# Altium PCB STM32F407.PcbDoc (part 2 of 2)
Units mil, origin at the board's own origin, x right, y up, seen from the top; angles counter-clockwise.
Board outline 2250.81 x 1738.31 mil, 4 copper layers (Top Layer, GND, POWER, Bottom Layer), stack 24.98 mil thick; 49 components, 104 nets, 323 pads, 74 vias.
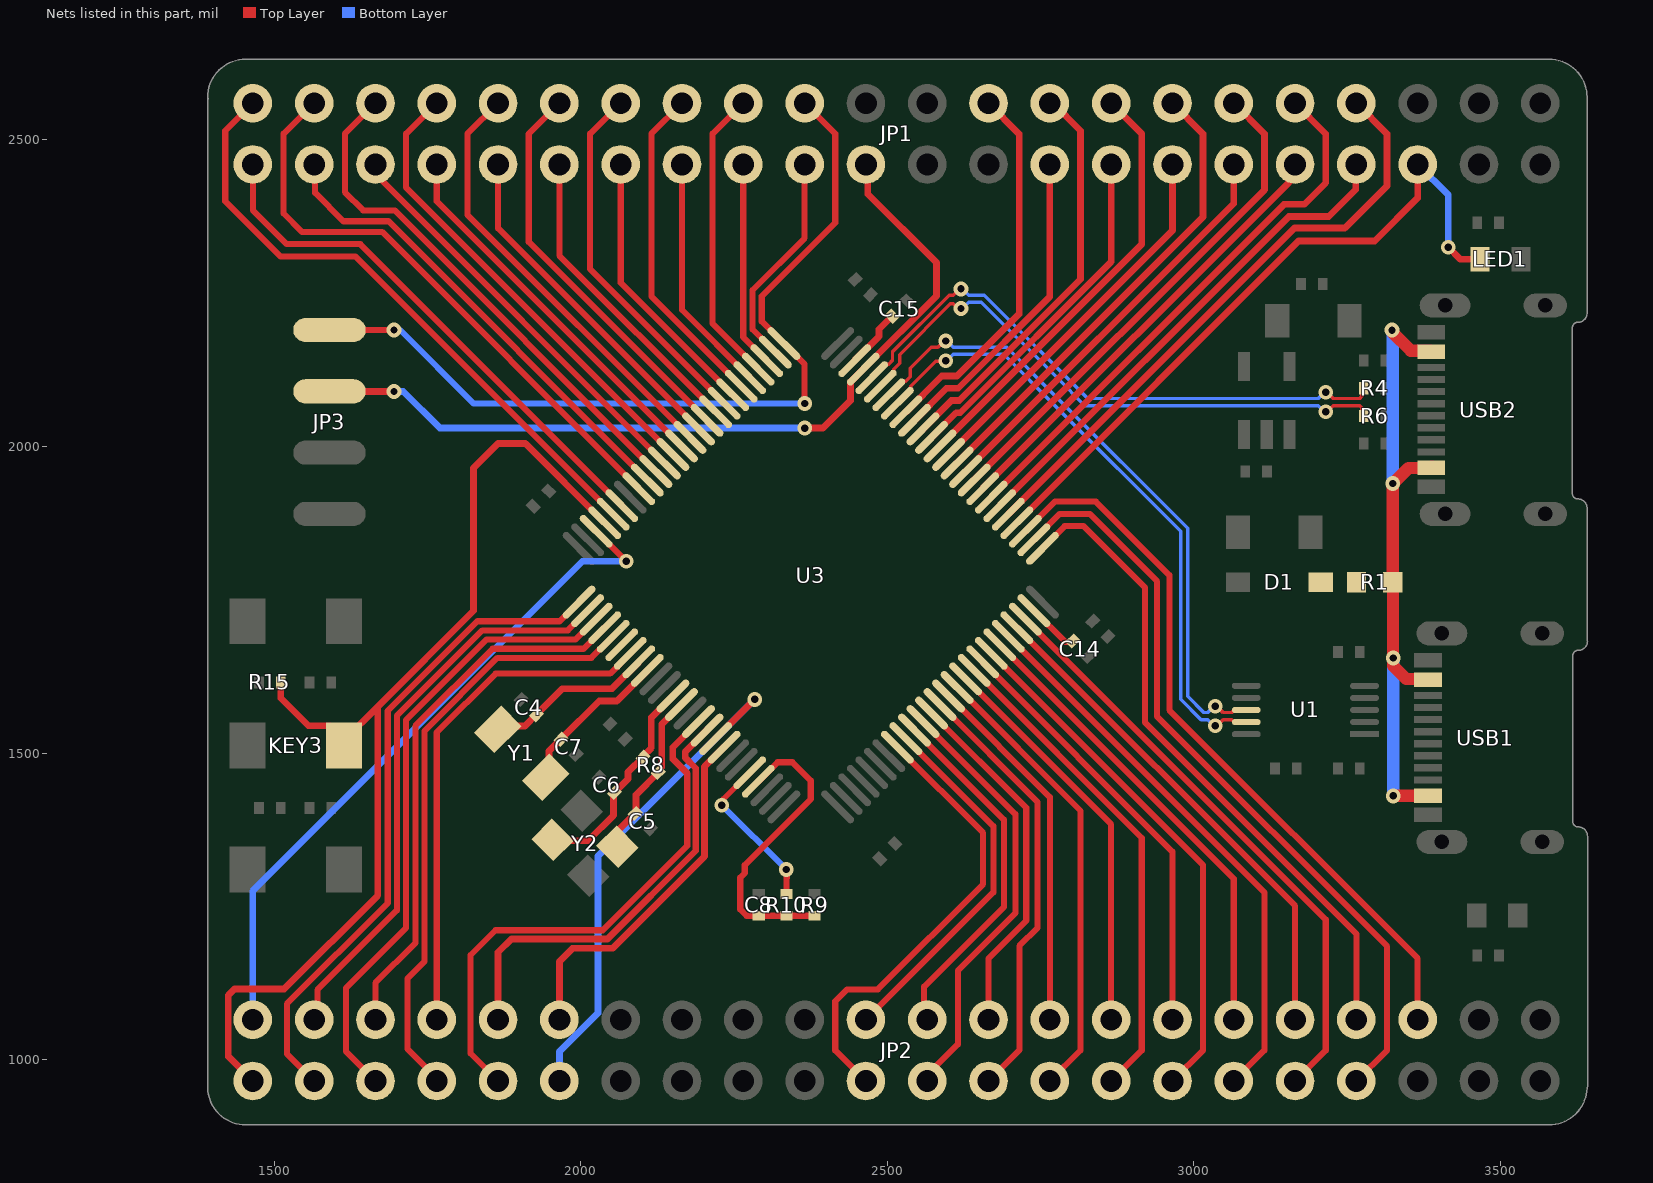
[diagram p4: the nets of this part, all layers, seen from the top]

## Via types
v1: diameter 24, hole 12, Top Layer to Bottom Layer, tented top, 74 vias

## Nets (pads, with @x,y where several pads share a name; then routed paths per layer and width w, separated by ;. In a path a pad name is that pad's centre, name@x,y a point inside that pad or via, vN(x,y) a via of type N, cw(c..) or ccw(c..) an arc to the next point about the centre after c; other vN are vias at no path point) (continued)
PA8: JP1.20 U3.67 | length 615.4
  Top Layer w11: U3.67@2530.22,2056.56 2588.65,2115 2613.73,2115 2715,2216.27 2715,2510 JP1.20@2665,2560
PA9: U1.9 U3.68 | length 1022.8
  Top Layer w5.59: U3.68@2516.3,2070.48 2538.37,2092.55 2538.37,2098.28 2549,2108.91 2549,2109 2578.68,2138.68 2593.68,2138.68 v1(2595,2140) ; v1(3035,1544.32) 3037.27,1544.32 3047.48,1554.52 3061.48,1554.52 3065.53,1550.47 U1.9@3085.38,1550.47
  Bottom Layer w5.59: v1(2595,2140) 2597.27,2140 2607.48,2150.2 2689.79,2150.2 2775,2065 2978.41,1861.59 2978.41,1587.69 3011.58,1554.52 3022.52,1554.52 3032.73,1544.32 v1(3035,1544.32)
PA10: U1.8 U3.69 | length 1049
  Top Layer w5.59: U3.69@2502.38,2084.4 2524.45,2106.47 2530.17,2106.47 2537.41,2113.71 2537.41,2127.63 2571.58,2161.8 2582.52,2161.8 2592.73,2172 v1(2595,2172) ; v1(3035,1576.32) 3037.27,1576.32 3047.48,1566.11 3061.48,1566.11 3065.53,1570.16 U1.8@3085.38,1570.16
  Bottom Layer w5.59: v1(2595,2172) 2597.27,2172 2607.48,2161.8 2694.6,2161.8 2775,2081.39 2990,1866.39 2990,1592.49 3016.38,1566.11 3022.52,1566.11 3032.73,1576.32 v1(3035,1576.32)
PA11: R6.2 U3.70 | length 954.5
  Top Layer w5.59: U3.70@2488.46,2098.32 2510.53,2120.39 2510.53,2126.12 2519.98,2135.56 2519.98,2149.77 2602.89,2232.68 2607.52,2232.68 2615.2,2225 v1(2620,2225) ; v1(3215,2056.5) 3217.27,2056.5 3227.48,2066.71 3270.53,2066.71 3273.8,2063.43 3273.8,2053.33 R6.2@3277.13,2050
  Bottom Layer w5.59: v1(2620,2225) 2622.27,2225 2632.48,2235.2 2653.4,2235.2 2768.61,2120 2776.8,2111.8 2821.9,2066.71 3202.52,2066.71 3212.73,2056.5 v1(3215,2056.5)
PA12: R4.2 U3.71 | length 966
  Top Layer w5.59: U3.71@2474.54,2112.24 2496.61,2134.31 2502.33,2134.31 2508.39,2140.36 2508.39,2154.17 2601.01,2246.8 2607.52,2246.8 2617.73,2257 v1(2620,2257) ; v1(3215,2088.5) 3217.27,2088.5 3227.48,2078.3 3270.53,2078.3 3273.8,2081.57 3273.8,2091.68 R4.2@3277.13,2095
  Bottom Layer w5.59: v1(2620,2257) 2622.27,2257 2632.48,2246.8 2658.2,2246.8 2826.7,2078.3 3202.52,2078.3 3212.73,2088.5 v1(3215,2088.5)
PA13: JP1.23 JP3.3 U3.72 | length 1384.1
  Top Layer w11: JP3.3@1590,2090 1590.3,2089.7 v1(1695.3,2089.7) ; v1(2365,2030) 2395,2030 2439.74,2074.74 2439.74,2105.28 U3.72@2460.62,2126.16 2580,2245.54 2580,2300 2468,2412 2468,2457 JP1.23@2465,2460
  Bottom Layer w11: v1(1695.3,2089.7) 1710.3,2089.7 1770,2030 v1(2365,2030)
PA14: JP1.26 JP3.4 U3.76 | length 1414.1
  Top Layer w10: JP3.4@1590,2190 v1@1695,2190 ; v1(2365,2070) 2365,2134.07 U3.76@2331.15,2167.92 2295,2204.07 2295,2245 2415,2365 2415,2510 JP1.26@2365,2560
  Bottom Layer w10: v1@1695,2190 1705,2190 1825,2070 v1(2365,2070)
  other v1: 1695.3,2190
PA15: JP1.25 U3.77 | length 356.6
  Top Layer w10: U3.77@2317.23,2154 2280,2191.23 2280,2255 2365,2340 JP1.25@2365,2460
PB0: JP2.22 U3.35 | length 588.7
  Top Layer w10: U3.35@2544.14,1537.35 2690,1391.48 2690,1248.73 2560,1118.73 2560,1070 JP2.22@2565,1065
PB1: JP2.21 U3.36 | length 708.4
  Top Layer w10: U3.36@2558.06,1551.27 2708.9,1400.42 2708.9,1238.9 2615,1145 2615,1025 2565,975 JP2.21@2565,965
PB2: JP2.20 U3.37 | length 589.7
  Top Layer w10: U3.37@2571.98,1565.19 2726.56,1410.6 2726.56,1226.56 2665,1165 JP2.20@2665,1065
PB3: JP1.38 U3.89 | length 774
  Top Layer w10: JP1.38@1765,2560 1715,2510 1715,2422.16 U3.89@2150.19,1986.97
PB4: JP1.39 U3.90 | length 682.2
  Top Layer w10: JP1.39@1665,2460 1675.14,2449.86 1675.14,2434.18 U3.90@2136.28,1973.05
PB5: JP1.40 U3.91 | length 861.9
  Top Layer w10: JP1.40@1665,2560 1615,2510 1615,2415 1645,2385 1696.48,2385 U3.91@2122.36,1959.13
PB6: JP1.41 U3.92 | length 783
  Top Layer w10: JP1.41@1565,2460 1566.5,2458.5 1566.5,2413.5 1612.68,2367.32 1686.32,2367.32 U3.92@2108.44,1945.21
PB7: JP1.42 U3.93 | length 966.1
  Top Layer w10: JP1.42@1565,2560 1515,2510 1515,2380 1545,2350 1675.81,2350 U3.93@2094.52,1931.29
PB8: JP1.43 U3.95 | length 876.1
  Top Layer w10: JP1.43@1465,2460 1465,2385 1520,2330 1640.13,2330 U3.95@2066.68,1903.45
PB9: JP1.44 U3.96 | length 1022.8
  Top Layer w10: JP1.44@1465,2560 1420.03,2515.03 1420.03,2399.97 1510,2310 1632.29,2310 U3.96@2052.76,1889.53
PB10: JP2.10 U3.47 | length 827.4
  Top Layer w10: U3.47@2711.17,1704.38 3165,1250.55 JP2.10@3165,1065
PB11: JP2.9 U3.48 | length 976.9
  Top Layer w10: U3.48@2725.09,1718.3 3215,1228.39 3215,1015 JP2.9@3165,965
PB12: JP2.8 U3.51 | length 1071.4
  Top Layer w10: U3.51@2752.93,1833.85 2789.08,1870 2820,1870 2920,1770 2920,1550 3265,1205 JP2.8@3265,1065
PB13: JP2.7 U3.52 | length 1255.1
  Top Layer w10: U3.52@2739.01,1847.77 2781.24,1890 2830,1890 2940,1780 2940,1559.48 3315,1184.48 3315,1015 JP2.7@3265,965
PB14: JP2.6 U3.53 | length 1197.4
  Top Layer w10: U3.53@2725.09,1861.69 2773.4,1910 2840,1910 2960,1790 2960,1570 3365,1165 JP2.6@3365,1065
PB15: JP1.5 LED1.2 U3.54 | length 1143.5
  Top Layer w11: U3.54@2711.17,1875.61 3170.56,2335 3295,2335 3365,2405 JP1.5@3365,2460 ; v1(3415,2325) 3434.69,2305.31 LED1.2@3466.54,2305.31
  Bottom Layer w11: JP1.5@3365,2460 3415,2410 v1(3415,2325)
PC0: JP2.35 U3.15 | length 881.1
  Top Layer w10: JP2.35@1865,965 1820,1010 1820,1170 1860.78,1210.78 2035.78,1210.78 2173.63,1348.63 2173.63,1466.36
  Top Layer w11: 2173.63,1466.36 2150,1489.99 2150,1509.31 U3.15@2191.95,1551.27
PC1: JP2.36 U3.16 | length 719.8
  Top Layer w11: JP2.36@1865,1065 1865,1175 1886.72,1196.72 2043.65,1196.72 2187.47,1340.54 2187.47,1475.12 2170.11,1492.47 2170.11,1501.58 U3.16@2205.87,1537.35
PC2: JP2.33 U3.17 | length 844.6
  Top Layer w11: U3.17@2219.79,1523.43 2219.79,1523.6 2283.43,1587.23 v1(2283.43,1587.41)
  Bottom Layer w11: JP2.33@1965,965 1965.32,965.32 1965.32,1013 2028,1075.68 2028,1331.98 v1(2283.43,1587.41)
PC3: JP2.34 U3.18 | length 594.2
  Top Layer w11: JP2.34@1965,1065 1965,1160 1986.42,1181.42 2051.91,1181.42 2201.87,1331.38 2201.87,1477.66 U3.18@2233.71,1509.51
PC4: JP2.23 U3.33 | length 752.3
  Top Layer w10: JP2.23@2465,965 2415,1015 2415,1095 2434.38,1114.38 2484.38,1114.38 2656.14,1286.14 2656.14,1369.66 U3.33@2516.3,1509.51
PC5: JP2.24 U3.34 | length 603.6
  Top Layer w10: JP2.24@2465,1065 2672.83,1272.83 2672.83,1380.82 U3.34@2530.22,1523.43
PC6: JP1.16 U3.63 | length 716.1
  Top Layer w11: U3.63@2585.89,2000.89 2915,2329.99 2915,2510 JP1.16@2865,2560
PC7: JP1.15 U3.64 | length 570.5
  Top Layer w11: U3.64@2571.98,2014.81 2612.17,2055 2618.84,2055 2865,2301.16 JP1.15@2865,2460
PC8: JP1.18 U3.65 | length 668.9
  Top Layer w11: U3.65@2558.06,2028.72 2604.33,2075 2617.2,2075 2815,2272.8 2815,2515 2770,2560 JP1.18@2765,2560
PC9: JP1.17 U3.66 | length 520
  Top Layer w11: U3.66@2544.14,2042.64 2596.49,2095 2615.57,2095 2765,2244.43 JP1.17@2765,2460
PC10: JP1.27 U3.78 | length 335.8
  Top Layer w10: JP1.27@2265,2460 2265,2178.39 U3.78@2303.31,2140.08
PC11: JP1.28 U3.79 | length 485.4
  Top Layer w10: JP1.28@2265,2560 2215,2510 2215,2200.55 U3.79@2289.39,2126.16
PC12: JP1.29 U3.80 | length 393.5
  Top Layer w10: JP1.29@2165,2460 2165,2222.71 U3.80@2275.47,2112.24
PC13: JP2.38 U3.7 | length 837.7
  Top Layer w10: JP2.38@1765,1065 1765,1533.69 1860.95,1629.63 2047.61,1629.63 U3.7@2080.6,1662.62
PC14: C4.2 U3.8 Y1.1 | length 275.6
  Top Layer w11: Y1.1@1864.61,1538.42 1870.17,1543.99 1908.75,1543.99 1927.24,1562.47 C4.2@1927.52,1562.47 1927.67,1562.47 1970.19,1605 2050.81,1605 U3.8@2094.52,1648.7
PC15: C7.2 U3.9 Y1.2 | length 259.8
  Top Layer w11: Y1.2@1942.56,1460.47 1948.12,1466.04 1948.12,1503.17 C7.2@1967.48,1522.53 2029.95,1585 2058.65,1585 U3.9@2108.44,1634.78
PD0: JP1.30 U3.81 | length 543.1
  Top Layer w10: JP1.30@2165,2560 2115,2510 2115,2244.87 U3.81@2261.55,2098.32
PD1: JP1.31 U3.82 | length 451.2
  Top Layer w10: JP1.31@2065,2460 2065,2267.03 U3.82@2247.63,2084.4
PD2: JP1.32 U3.83 | length 600.8
  Top Layer w10: JP1.32@2065,2560 2015,2510 2015,2289.19 U3.83@2233.71,2070.48
PD3: JP1.33 U3.84 | length 509
  Top Layer w10: JP1.33@1965,2460 1965,2311.36 U3.84@2219.79,2056.56
PD4: JP1.34 U3.85 | length 658.6
  Top Layer w10: JP1.34@1965,2560 1914.91,2509.91 1914.91,2333.6 U3.85@2205.87,2042.64
PD5: JP1.35 U3.86 | length 566.7
  Top Layer w10: JP1.35@1865,2460 1865,2355.68 U3.86@2191.95,2028.72
PD6: JP1.36 U3.87 | length 716.3
  Top Layer w10: JP1.36@1865,2560 1815,2510 1815,2377.84 U3.87@2178.03,2014.81
PD7: JP1.37 U3.88 | length 624.4
  Top Layer w10: JP1.37@1765,2460 1765,2400 U3.88@2164.11,2000.89
PD8: JP1.8 U3.55 | length 995.3
  Top Layer w11: U3.55@2697.25,1889.53 3163.9,2356.18 3246.18,2356.18 3315,2425 3315,2510 JP1.8@3265,2560
PD9: JP1.7 U3.56 | length 835.6
  Top Layer w11: U3.56@2683.33,1903.45 3154.88,2375 3220,2375 3263.93,2418.93 3263.93,2458.93 JP1.7@3265,2460
PD10: JP1.10 U3.57 | length 908.6
  Top Layer w11: U3.57@2669.41,1917.37 3147.04,2395 3180,2395 3215,2430 3215,2510 JP1.10@3165,2560
PD11: JP1.9 U3.58 | length 739.8
  Top Layer w11: U3.58@2655.49,1931.29 3155.05,2430.85 3155.05,2450.05 JP1.9@3165,2460
PD12: JP1.12 U3.59 | length 831.6
  Top Layer w11: U3.59@2641.57,1945.21 3115,2418.64 3115,2510 JP1.12@3065,2560
PD13: JP1.11 U3.60 | length 682
  Top Layer w11: U3.60@2627.65,1959.13 3065,2396.47 JP1.11@3065,2460
PD14: JP1.14 U3.61 | length 773.9
  Top Layer w11: U3.61@2613.73,1973.05 3015,2374.31 3015,2510 JP1.14@2965,2560
PD15: JP1.13 U3.62 | length 624.3
  Top Layer w11: U3.62@2599.81,1986.97 2965,2352.15 JP1.13@2965,2460
PE0: JP2.43 KEY3.1 R15.2 U3.97 | length 1757.2
  Top Layer w11: JP2.43@1465,965 1425,1005 1425,1105 1435,1115 1516.05,1115 1668.84,1267.79 1668.84,1575.87 ; R15.2@1510.43,1615 1510.43,1589.57 1555.6,1544.4 1590.11,1544.4 KEY3.1@1613.74,1520.77 ; KEY3.1@1613.74,1512.5 KEY3.1@1613.74,1520.77 ; U3.97@2038.84,1875.61 1909.45,2005 1865,2005 1825,1965 1825,1732.03 1668.84,1575.87 ; KEY3.1@1613.74,1520.77 1668.84,1575.87
PE1: JP2.44 U3.98 | length 1111.4
  Top Layer w11: U3.98@2024.92,1861.69 2025.14,1861.69 v1(2073.99,1812.84)
  Bottom Layer w11: JP2.44@1465,1065 1464.61,1065.39 1464.61,1274.61 2002.84,1812.84 v1(2073.99,1812.84)
PE2: JP2.41 U3.1 | length 1075.8
  Top Layer w10: JP2.41@1565,965 1520.5,1009.5 1520.5,1090.76 1685,1255.26 1685,1568.68 1831.32,1715 1965.45,1715 1996.59,1746.14 U3.1@1997.08,1746.14
PE3: JP2.42 U3.2 | length 933.7
  Top Layer w10: JP2.42@1565,1065 1570.38,1070.38 1570.38,1113.54 1700,1243.17 1700,1560.7 1839.3,1700 1978.78,1700 U3.2@2011,1732.22
PE4: JP2.39 U3.3 | length 1027.5
  Top Layer w10: JP2.39@1665,965 1616.96,1013.04 1616.96,1116.96 1715,1215 1715,1554.03 1845.97,1685 1991.13,1685 2024.43,1718.3 U3.3@2024.92,1718.3
PE5: JP2.40 U3.4 | length 881.2
  Top Layer w10: JP2.40@1665,1065 1665,1125 1730,1190 1730,1544.08 1855.92,1670 2004.46,1670 U3.4@2038.84,1704.38
PE6: JP2.37 U3.5 | length 973.9
  Top Layer w10: JP2.37@1765,965 1765,969.48 1717.46,1017.02 1717.46,1132.46 1745,1160 1745,1536.1 1863.9,1655 2017.3,1655 U3.5@2052.76,1690.46
PE7: JP2.19 U3.38 | length 713.1
  Top Layer w10: U3.38@2585.89,1579.11 2745,1420 2745,1215 2715.37,1185.37 2715.37,1015.37 JP2.19@2665,965
PE8: JP2.18 U3.39 | length 596.4
  Top Layer w10: U3.39@2599.81,1593.02 2765,1427.84 JP2.18@2765,1065
PE9: JP2.17 U3.40 | length 746
  Top Layer w10: U3.40@2613.73,1606.94 2815,1405.68 2815,1015 JP2.17@2765,965
PE10: JP2.16 U3.41 | length 654.2
  Top Layer w10: U3.41@2627.65,1620.86 2865,1383.52 JP2.16@2865,1065
PE11: JP2.15 U3.42 | length 803.8
  Top Layer w10: U3.42@2641.57,1634.78 2915,1361.36 2915,1015 JP2.15@2865,965
PE12: JP2.14 U3.43 | length 711.9
  Top Layer w10: U3.43@2655.49,1648.7 2965,1339.19 JP2.14@2965,1065
PE13: JP2.13 U3.44 | length 861.5
  Top Layer w10: U3.44@2669.41,1662.62 3015,1317.03 3015,1015 JP2.13@2965,965
PE14: JP2.12 U3.45 | length 769.6
  Top Layer w10: U3.45@2683.33,1676.54 3065,1294.87 JP2.12@3065,1065
PE15: JP2.11 U3.46 | length 919.2
  Top Layer w10: U3.46@2697.25,1690.46 3115,1272.71 3115,1015 JP2.11@3065,965
PH0: C6.2 R8.1 U3.12 Y2.1 | length 361.2
  Top Layer w11: Y2.1@1953.89,1358.32 1955.28,1356.93 2011.93,1356.93 2053.3,1398.3 2053.3,1433.92 C6.2@2054.69,1435.32 2077.08,1457.71 2077.08,1468.98 R8.1@2101.15,1493.05 ; Y2.1@1957.11,1360.57 Y2.1@1958.5,1359.18 ; Y2.1@1957.67,1342.67 Y2.1@1959.07,1341.28 ; R8.1@2102.54,1497.8 R8.1@2102.54,1496.02 ; U3.12@2150.19,1593.02 2115,1557.83 2115,1508.48 R8.1@2102.54,1496.02 ; R8.1@2101.15,1493.05 2101.15,1494.63 R8.1@2102.54,1496.02 ; R8.1@2101.15,1493.05 2102.54,1494.44 R8.1@2102.54,1496.02
PH1: C5.2 R8.2 U3.13 Y2.3 | length 294.2
  Top Layer w11: Y2.3@2061.5,1350.82 2062.41,1349.92 Y2.3@2062.89,1349.43 ; Y2.3@2063.46,1331.54 2063.46,1353.46 2059.85,1357.07 2059.85,1372.63 C5.2@2088.62,1401.4 2090.01,1402.79 2090.01,1431.8 R8.2@2126.2,1467.99 2126.2,1471.35 2131.79,1476.95 2131.79,1546.78 U3.13@2164.11,1579.11
VBAT: U3.6 | length 0
VCAP_1: C14.2 U3.49 | length 85.2
  Top Layer w10: U3.49@2739.01,1732.22 2790.09,1681.14 2801.09,1681.14 C14.2@2802.48,1682.53
VCAP_2: C15.2 U3.73 | length 97.6
  Top Layer w11: U3.73@2446.7,2140.08 2486.25,2179.63 2486.25,2191.25 C15.2@2507.47,2212.48
VCC: D1.1 R1.1
VDDA: C8.2 R9.1 R10.1 U3.22 | length 494
  Top Layer w10: U3.22@2289.39,1453.83 2289.88,1453.83 2321.05,1485 2345,1485 2375,1455 2375,1424.79 2267.31,1317.11 2267.31,1304.09 2260,1296.77 2260,1245 2270.43,1234.57 C8.2@2290.15,1234.57 R10.1@2335.64,1234.57 R9.1@2381.13,1234.57
VIN: R1.2 USB1.A4B9 USB1.B4A9 USB2.A4B9 USB2.B4A9 | length 1056.6
  Top Layer w15: USB2.A4B9@3382.68,1961.2 3386.48,1965 USB2.A4B9@3386.99,1965.51
  Top Layer w20: v1(3323.09,2189.85) 3323.09,2186.91 3353.7,2156.3 3385.18,2156.3 USB2.B4A9@3386.99,2154.49 USB2.B4A9@3388.8,2152.68 ; R1.2@3324.5,1778.46 v1(3324.5,1939.5) 3350,1965 USB2.A4B9@3386.48,1965 ; R1.2@3324.66,1773.87 3324.66,1642.23 3346.26,1620.63 3380.85,1620.63 USB1.B4A9@3381.99,1619.49 ; v1(3325,1430) 3325.26,1430.26 3381.74,1430.26 USB1.A4B9@3381.99,1430.51 ; USB2.A4B9@3386.99,1965.51 USB2.A4B9@3388.8,1967.32
  Bottom Layer w20: v1(3323.09,2189.85) 3324.5,2188.44 v1(3324.5,1939.5) ; v1(3325,1430) v1(3325,1655)
VREF+: R10.2 U3.21 | length 260.5
  Top Layer w10: v1(2230,1415) 2232.68,1417.68 2232.68,1424.96 U3.21@2275.47,1467.75 ; v1(2335,1310) 2335.86,1309.14 2335.86,1295.86 2335.64,1295.64 R10.2@2335.64,1270
  Bottom Layer w10: v1(2230,1415) v1(2335,1310)
pads on no net: U1.4 U1.5 U1.6 U2.4 USB1.A8 USB1.B8 USB2.A8 USB2.B8

## Polygon pours and split planes (outlines as drawn)
GND on Bottom Layer "GND_L04_P003" (solid, remove dead copper, pour order 3): 1070,2735 995,2660 995,760 3845,760 3920,835 3920,2820 1160,2820 995,2655
GND on Top Layer "GND_L01_P000" (solid, remove dead copper, pour order 0): 1250,2760 1245,2755 1245,790 3750,790 3750,2775
GND on GND (split plane): 3583.39,2611.59 3591.5,2609.98 3599.14,2606.82 3606.02,2602.22 3611.86,2596.38 3616.46,2589.5 3619.62,2581.86 3621.23,2573.75 3621.23,2569.62 3621.23,2222.11 3620.64,2222.06 3619.7,2221.77 3618.73,2221.58 3617.82,2221.2 3616.87,2220.91 3613.63,2219.57 3610.16,2217.71 3607.11,2215.21 3604.63,2212.74 3602.13,2209.69 3601.27,2208.07 3600.28,2206.22 3598.94,2202.98 3598.65,2202.03 3598.27,2201.12 3598.08,2200.15 3597.79,2199.21 3597.7,2198.22 3597.5,2197.26 3597.33,2195.5 3597.33,2194.52 3597.23,2193.53 3597.23,1923.38 3597.33,1922.39 3597.33,1921.41 3597.5,1919.65 3597.7,1918.69 3597.79,1917.7 3598.08,1916.76 3598.27,1915.79 3598.65,1914.88 3598.94,1913.93 3600.28,1910.69 3601.27,1908.84 3602.13,1907.22 3604.63,1904.17 3607.11,1901.69 3610.16,1899.2 3613.63,1897.34 3616.87,1896 3617.82,1895.71 3618.73,1895.33 3619.7,1895.14 3620.64,1894.85 3621.23,1894.8 3621.23,1686.99 3620.38,1686.73 3619.41,1686.54 3618.5,1686.16 3617.56,1685.87 3614.32,1684.53 3610.84,1682.67 3607.8,1680.18 3605.32,1677.7 3602.82,1674.65 3601.95,1673.03 3600.96,1671.18 3599.62,1667.94 3599.33,1666.99 3598.96,1666.08 3598.76,1665.11 3598.48,1664.17 3598.38,1663.19 3598.19,1662.22 3598.01,1660.46 3598.01,1659.48 3597.92,1658.49 3597.92,1388.34 3598.01,1387.36 3598.01,1386.37 3598.19,1384.62 3598.38,1383.65 3598.48,1382.66 3598.76,1381.72 3598.96,1380.75 3599.33,1379.84 3599.62,1378.89 3600.96,1375.65 3601.95,1373.8 3602.82,1372.18 3605.32,1369.13 3607.8,1366.66 3610.84,1364.16 3614.32,1362.3 3617.56,1360.96 3618.5,1360.67 3619.41,1360.29 3620.38,1360.1 3621.33,1359.81 3621.92,1359.76 3621.92,958.21 3621.7,956.7 3621.41,954.87 3621.15,950.34 3619.29,942.18 3616.01,934.77 3611.38,928.12 3605.56,922.49 3598.77,918.06 3591.26,915.02 3583.31,913.47 1449.41,913.47 1441.82,914.88 1434.61,917.65 1428.03,921.7 1422.29,926.87 1417.6,933 1414.1,939.89 1411.92,947.3 1411.52,951.14 1411.46,951.44 1411.45,951.74 1411.3,952.38 1411.3,2560.63 1411.36,2560.77 1411.72,2562.41 1412.12,2564.03 1412.13,2564.33 1412.19,2564.62 1412.22,2566.29 1412.3,2567.96 1412.25,2568.26 1412.26,2568.56 1411.96,2570.2 1411.71,2571.86 1411.6,2572.14 1411.55,2572.44 1411.3,2573.07 1411.3,2573.75 1412.91,2581.86 1416.08,2589.5 1420.67,2596.37 1426.51,2602.22 1433.38,2606.81 1441.02,2609.98 1449.13,2611.59 1453.26,2611.59 3579.26,2611.59
3V3 on POWER (split plane): 201 vertices, not listed, extent 1441.28,943.46 3591.94,2581.61

## Keep-outs
Keep-Out Layer:
  lines w6: 1394.22,950.45 1394.22,2564.62 ; 1394.22,955.45 ccw(c1453.28,955.45) 1453.28,896.39 3579.26,896.39 ccw(c3579.26,955.45) 3638.32,955.45 ; 1394.22,2569.62 cw(c1453.28,2569.62) 1453.28,2628.68 3579.26,2628.68 cw(c3579.26,2569.62) 3638.32,2569.62 3638.32,2217.53 cw(c3626.32,2217.53) 3626.32,2205.53 ccw(c3626.32,2193.53) 3614.32,2193.53 3614.32,1923.38 ccw(c3626.32,1923.38) 3626.32,1911.38 cw(c3626.32,1899.38) 3638.32,1899.38 3638.32,1682.49 ; 3639,955.45 3639,1364.34 ccw(c3627,1364.34) 3627,1376.34 cw(c3627,1388.34) 3615,1388.34 3615,1658.49 cw(c3627,1658.49) 3627,1670.49 ccw(c3627,1682.49) 3639,1682.49

## Other copper
Top Layer:
  region net 5V: 3070,1935 3070.33,1935.33 3145.06,1935.33 3145.06,2042.22 3146.34,2043.5 3166.03,2043.5 3166.03,1921.03 3155,1910 3070,1910
  region net 5V: 3095.64,1972.04 3095.64,1700 3048.84,1700 3048.84,1972.04
  region net 3V3: 3057,1598.39 3057,1581.23 3121.16,1580.96 3121.16,1513.95 3121.93,1514.72 3140.45,1514.72 3140.45,1591.97 3134.03,1598.39
  region net 3V3: 3063.2,1534.27 3061.35,1532.41 3061.35,1502.47 3099.16,1464.66 3140.72,1464.93 3140.72,1484.29 3140.16,1484.85 3141.03,1484.59 3140.96,1488.15 3140.72,1500.69 3140.18,1528.75 3132.68,1536.26 3132.13,1535.71 3066.68,1535.71
  region net VCC: 3187.3,1794.21 3188.56,1795.47 3281.06,1795.47 3281.06,1761.45 3187.21,1761.45 3187.01,1761.65 3187.01,1795.51 3189.04,1795.51 3189.06,1795.49
  region net 5V: 3091.23,2043.5 3091.23,1949.49 3091.67,1949.04 3071.54,1949.04 3071.54,1972.3 3071.54,2043.5
  region net 3V3: 3067.52,2199.57 3100.51,2232.56 3116.32,2232.56 3163.4,2279.64 3186.62,2279.64 3186.62,2251.57 3167.62,2232.56 3155.63,2232.56 3155.63,2177.44 3150.07,2171.88 3109.37,2171.88 3095.7,2158.21 3095.7,2101.98 3067.52,2101.98

## Silkscreen, mask and mechanical layers (free items; w line width, h text height)
Top Overlay:
  drawing of 2846 lines, arcs and shapes, not listed
  text "PB15" at 3335,2385 h20
  text "3.3V" at 3440,2385 h20
  text "5V" at 3545,2385 h20
  text "PB9" at 1445,2378.05 h20
  text "PB7" at 1544.32,2378.05 h20
  text "PB5" at 1642.18,2378.05 h20
  text "PB3" at 1742.95,2378.05 h20
  text "PD6" at 1842.27,2378.05 h20
  text "PD4" at 1941.59,2378.05 h20
  text "PD2" at 2040.9,2378.05 h20
  text "PD0" at 2140.22,2378.05 h20
  text "PC11" at 2239.54,2378.05 h20
  text "PA14" at 2338.86,2378.05 h20
  text "GND" at 2438.18,2378.05 h20
  text "GND" at 2537.49,2378.05 h20
  text "PA8" at 2636.31,2378.05 h20
  text "PC8" at 2736.13,2378.05 h20
  text "PC6" at 2833.49,2378.05 h20
  text "PD14" at 2934.76,2378.05 h20
  text "PD12" at 3034.08,2378.05 h20
  text "PD10" at 3133.4,2378.05 h20
  text "PD8" at 3226.56,2378.05 h20
  text "GND" at 3320,2345 h20 r90
  text "PB8" at 1445,2343.05 h20
  text "PB6" at 1544.32,2343.05 h20
  text "PB4" at 1642.18,2343.05 h20
  text "PD7" at 1742.95,2343.05 h20
  text "PD5" at 1842.27,2343.05 h20
  text "PD3" at 1941.59,2343.05 h20
  text "PD1" at 2040.9,2343.05 h20
  text "PC12" at 2140.22,2343.05 h20
  text "PC10" at 2239.54,2343.05 h20
  text "PA15" at 2338.86,2343.05 h20
  text "PA13" at 2438.18,2343.05 h20
  text "3.3V" at 2537.49,2343.05 h20
  text "3.3V" at 2636.31,2343.05 h20
  text "PC9" at 2736.13,2343.05 h20
  text "PC7" at 2833.49,2343.05 h20
  text "PD15" at 2934.76,2343.05 h20
  text "PD13" at 3034.08,2343.05 h20
  text "PD11" at 3133.4,2343.05 h20
  text "PD9" at 3226.56,2343.05 h20
  text "ZT10-F407VET6-V1.0 / POWER BY CAMERON / 2024-6-25" at 2745,1235 h30
  text "PE1" at 1445,1158.71 h20
  text "PE3" at 1544.32,1158.71 h20
  text "PE5" at 1642.18,1158.71 h20
  text "PC13" at 1742.95,1158.71 h20
  text "PC1" at 1842.27,1158.71 h20
  text "PC3" at 1941.59,1158.71 h20
  text "PA1" at 2040.9,1158.71 h20
  text "PA3" at 2140.22,1158.71 h20
  text "PA5" at 2239.54,1158.71 h20
  text "PA7" at 2338.86,1158.71 h20
  text "PC5" at 2438.18,1158.71 h20
  text "PB0" at 2537.49,1158.71 h20
  text "PB2" at 2636.31,1158.71 h20
  text "PE8" at 2736.13,1158.71 h20
  text "PE10" at 2833.49,1158.71 h20
  text "PE12" at 2934.76,1158.71 h20
  text "PE14" at 3034.08,1158.71 h20
  text "PB10" at 3133.4,1158.71 h20
  text "PB12" at 3226.56,1158.71 h20
  text "PB14" at 3325.87,1158.71 h20
  text "5V" at 3545,1125 h20
  text "PE0" at 1445,1123.71 h20
  text "PE2" at 1544.32,1123.71 h20
  text "PE4" at 1642.18,1123.71 h20
  text "PE6" at 1742.95,1123.71 h20
  text "PC0" at 1842.27,1123.71 h20
  text "PC2" at 1941.59,1123.71 h20
  text "PA0" at 2040.9,1123.71 h20
  text "PA2" at 2140.22,1123.71 h20
  text "PA4" at 2239.54,1123.71 h20
  text "PA6" at 2338.86,1123.71 h20
  text "PC4" at 2438.18,1123.71 h20
  text "PB1" at 2537.49,1123.71 h20
  text "PE7" at 2636.31,1123.71 h20
  text "PE9" at 2736.13,1123.71 h20
  text "PE11" at 2833.49,1123.71 h20
  text "PE13" at 2934.76,1123.71 h20
  text "PE15" at 3034.08,1123.71 h20
  text "PB11" at 3133.4,1123.71 h20
  text "PB13" at 3226.56,1123.71 h20
  text "GND" at 3325.87,1123.71 h20
  text "3.3V" at 3433.57,1124.04 h20
Bottom Overlay:
  text "GND" at 3495,2380 h20
  text "GND" at 3590,2380 h20
  text "PB15" at 3400,2375 h20
  text "PB9" at 1492.76,2373.68 h20
  text "PB7" at 1597.07,2373.68 h20
  text "PB5" at 1694.93,2373.68 h20
  text "PB3" at 1795.71,2373.68 h20
  text "PD6" at 1895.03,2373.68 h20
  text "PD4" at 1994.34,2373.68 h20
  text "PD2" at 2093.66,2373.68 h20
  text "PD0" at 2192.98,2373.68 h20
  text "PC11" at 2297.3,2373.68 h20
  text "PA14" at 2396.61,2373.68 h20
  text "GND" at 2490.93,2373.68 h20
  text "GND" at 2590.25,2373.68 h20
  text "PA8" at 2694.07,2373.68 h20
  text "PC8" at 2793.88,2373.68 h20
  text "PC6" at 2891.25,2373.68 h20
  text "PD14" at 2997.52,2373.68 h20
  text "PD12" at 3096.84,2373.68 h20
  text "PD10" at 3196.15,2373.68 h20
  text "PD8" at 3289.31,2373.68 h20
  text "3.3V" at 3500,2345 h20
  text "5V" at 3580,2345 h20
  text "PB8" at 1492.76,2338.68 h20
  text "PB6" at 1597.07,2338.68 h20
  text "PB4" at 1694.93,2338.68 h20
  text "PD7" at 1795.71,2338.68 h20
  text "PD5" at 1895.03,2338.68 h20
  text "PD3" at 1994.34,2338.68 h20
  text "PD1" at 2093.66,2338.68 h20
  text "PC12" at 2192.98,2338.68 h20
  text "PC10" at 2297.3,2338.68 h20
  text "PA15" at 2396.61,2338.68 h20
  text "PA13" at 2490.93,2338.68 h20
  text "3.3V" at 2590.25,2338.68 h20
  text "3.3V" at 2694.07,2338.68 h20
  text "PC9" at 2793.88,2338.68 h20
  text "PC7" at 2891.25,2338.68 h20
  text "PD15" at 2997.52,2338.68 h20
  text "PD13" at 3096.84,2338.68 h20
  text "PD11" at 3196.15,2338.68 h20
  text "PD9" at 3289.31,2338.68 h20
  text "PE1" at 1495,1163.71 h20
  text "PE3" at 1589.32,1163.71 h20
  text "PE5" at 1692.18,1163.71 h20
  text "PC13" at 1797.95,1163.71 h20
  text "PC1" at 1892.27,1163.71 h20
  text "PC3" at 1991.59,1163.71 h20
  text "PA1" at 2090.91,1163.71 h20
  text "PA3" at 2190.22,1163.71 h20
  text "PA5" at 2289.54,1163.71 h20
  text "PA7" at 2393.86,1163.71 h20
  text "PC5" at 2493.18,1163.71 h20
  text "PB0" at 2592.49,1163.71 h20
  text "PB2" at 2696.31,1163.71 h20
  text "PE8" at 2791.13,1163.71 h20
  text "PE10" at 2893.49,1163.71 h20
  text "PE12" at 2994.76,1163.71 h20
  text "PE14" at 3094.08,1163.71 h20
  text "PB10" at 3193.4,1163.71 h20
  text "PB12" at 3291.56,1163.71 h20
  text "PB14" at 3395.87,1163.71 h20
  text "3.3V" at 3496.03,1163.71 h20
  text "5V" at 3582.49,1163.71 h20
  text "PE0" at 1495,1128.71 h20
  text "PE2" at 1589.32,1128.71 h20
  text "PE4" at 1692.18,1128.71 h20
  text "PE6" at 1797.95,1128.71 h20
  text "PC0" at 1892.27,1128.71 h20
  text "PC2" at 1991.59,1128.71 h20
  text "PA0" at 2090.91,1128.71 h20
  text "PA2" at 2190.22,1128.71 h20
  text "PA4" at 2289.54,1128.71 h20
  text "PA6" at 2393.86,1128.71 h20
  text "PC4" at 2493.18,1128.71 h20
  text "PB1" at 2592.49,1128.71 h20
  text "PE7" at 2696.31,1128.71 h20
  text "PE9" at 2791.13,1128.71 h20
  text "PE11" at 2893.49,1128.71 h20
  text "PE13" at 2994.76,1128.71 h20
  text "PE15" at 3094.08,1128.71 h20
  text "PB11" at 3193.4,1128.71 h20
  text "PB13" at 3291.56,1128.71 h20
  text "GND" at 3395.87,1128.71 h20
  text "3.3V" at 3496.92,1128.71 h20
  text "5V" at 3583.35,1128.71 h20